# KiCad board After Huzaifa Antuley fixed DRC.kicad_pcb (continued)
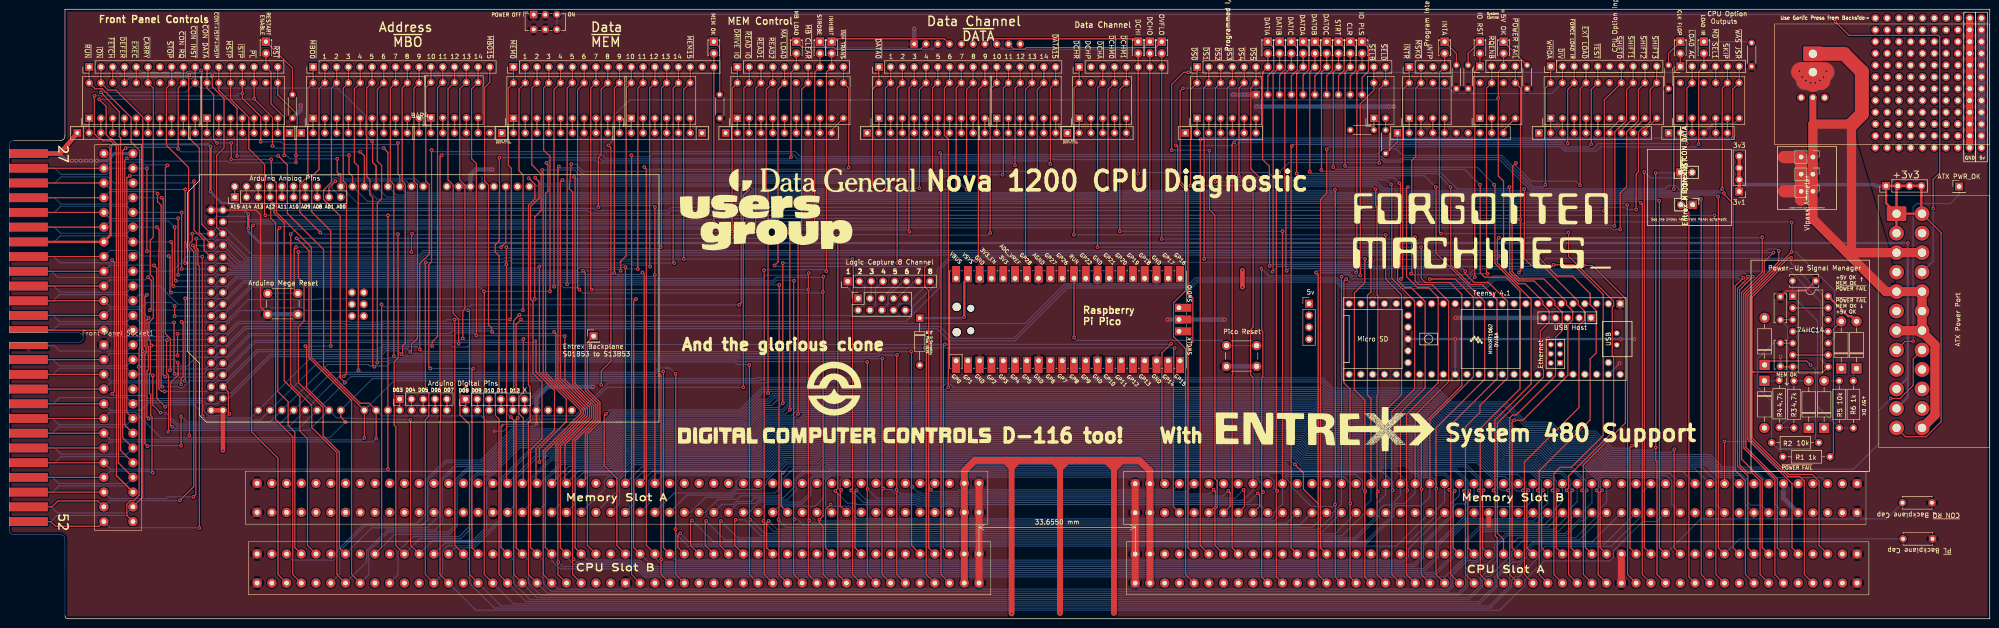
[diagram p0: board, top side]
## Routing (per net, layer and track width the routed paths; a pad name or vN(x,y) marks a point on that pad's centre or on a via; arc(x,y) is an arc through that point) (continued)
  Bottom w0.25: v1(118.3,12.19) 119.23,11.26 135.3,11.26 137.08,9.49 307.35,9.49 311.14,13.28 311.14,17.73 314.04,20.63 329.31,20.63 J16.58 ; 214.07,95.74 v1(214.06,95.76) 123.76,95.74 122.28,97.22 118.74,97.22 v1(118.43,97.54)
~{DATA12}: length 450
  Top w0.25: J16.59 335.05,29.47 ; 115.63,98.3 v1(115.76,98.3) 115.76,98.17 116.07,97.86 116.07,92.19 115.58,91.69 115.58,53.1 123.7,44.97 123.7,44.14 117.61,38.04 117.59,38.04 115.5,35.95 115.5,15.37 J3.59 ; J8.13 BAR9.18 216.75,114.45 216.75,97.81 v1(216.73,97.79)
  Bottom w0.25: v1(216.73,97.79) 216.22,98.3 126.94,98.3 126.3,98.93 116.4,98.93 v1(115.76,98.3) ; J16.59 334.71,25.26 332.86,23.41 332.86,22.31 330.73,20.18 317.06,20.18 313.81,16.94 313.81,13.41 309.42,9.02 291.4,9.02 291.39,9.03 136.9,9.03 135.16,10.77 118.7,10.77 116.91,12.56 J3.59
~{DATA13}: length 461.9
  Top w0.25: v1(108.52,49.02) 108.7,49.2 108.7,64.32 v1(109.92,65.53) ; v1(108.09,43.49) 108.7,42.87 108.7,9.55 110.55,7.7 ; J8.14 BAR9.17 219,114.16 219,77.74 v1(219.27,77.47)
  Bottom w0.25: v1(108.52,49.02) 108.49,49.02 107.3,47.83 107.3,46.09 107.33,46.06 107.33,44.24 v1(108.09,43.49) ; v1(109.92,65.53) 110.08,65.37 193.83,65.37 194.63,66.17 194.63,67.18 199.96,72.52 199.96,75.31 202.64,77.99 218.75,77.99 v1(219.27,77.47) ; J16.64 339.36,21.16 338.7,21.16 335.47,17.93 322.77,17.93 320.61,15.77 320.61,12.44 316.99,8.82 316.99,7.14 314.41,4.57 113.69,4.57 110.55,7.7
~{DATA14}: length 435
  Top w0.25: J3.56 121.41,9.55 121.41,12.63 v1(121.6,12.83) 121.41,13.03 121.41,38.49 125.95,43.04 125.95,45.97 121.41,50.52 121.41,92.02 120.68,92.75 v1(121.1,98.04) ; v1(221.55,95.76) 221.53,95.78 221.53,114.16 BAR9.16 J8.15
  Bottom w0.25: v1(121.1,98.04) 122.1,98.04 123.66,96.48 220.83,96.48 v1(221.55,95.76) ; v1(121.6,12.83) 122.27,12.16 135.67,12.16 137.45,10.39 305.07,10.39 307.91,13.23 307.91,15.78 313.67,21.54 327.04,21.54 J16.56
~{DATA15}: length 483.4
  Top w0.25: J8.16 225.49,115.62 BAR9.15 224.37,114.49 224.37,98.06 v1(224.35,98.04) ; 105.53,99.5 v1(105.6,99.44) 105.59,94.27 105.65,94.21 105.65,92.02 105.59,91.97 105.58,81.66 105.58,81.51 104.71,80.65 104.71,79.12 105.57,78.26 105.57,78.23 105.53,49.4 104.76,48.63 104.76,43.83 105.53,43.05 105.53,9.55 J3.66
  Bottom w0.25: J3.66 111.41,3.67 316.68,3.67 320.16,7.14 320.16,9.07 323.79,12.7 323.79,14.43 326.38,17.03 338.41,17.03 J16.66 ; v1(105.6,99.44) 127.13,99.44 127.83,98.75 223.64,98.75 v1(224.35,98.04)
~{DCHA}: length 362.5
  Top w0.25: J2.60 304.29,9.54 304.29,27.87 v1(304.36,27.94) 304.29,28.01 304.29,41.58 313.01,50.31 313.01,69.96 310.45,72.52 305.17,72.52 304.29,73.41 304.29,80.08 v1(304.23,80.14) 304.29,80.19 ; J12.3 BAR11.18 234.53,114.45 234.53,80.16 v1(234.51,80.14)
  Bottom w0.25: v1(304.36,27.94) 304.29,28.01 304.29,29.68 301.03,32.93 278.42,32.93 276.76,34.59 175.5,34.59 174.31,33.4 167.57,33.4 165.93,31.76 165.93,28.07 164.91,27.05 156.61,27.05 155.77,26.2 150.04,26.2 146.78,22.94 145.48,22.94 ; v1(304.23,80.14) v1(234.51,80.14) 234.51,80.26
~{DCHM0}: length 226.8
  Top w0.25: v1(182.56,27.69) 182.25,27.38 182.25,15.3 J3.17 ; J12.4 BAR11.17 236.78,114.16 236.78,92.6 v1(236.79,92.58) 236.78,92.57 ; v1(268.29,92.71) 268.04,92.46 268.04,62.9 267.49,62.35 267.49,52.62 268.04,52.07 J16.17
  Bottom w0.25: 202.25,25.17 196.03,25.17 195.66,25.53 184.72,25.53 v1(182.56,27.69) ; 202,25.17 205.45,25.17 205.81,25.53 265.85,25.53 268.04,27.72 J16.17 ; 268.04,92.71 v1(268.29,92.71) 267.6,92.27 237.1,92.27 v1(236.79,92.58)
~{DCHM1}: length 242.8
  Top w0.25: J16.21 v1(274.38,83.57) ; J12.5 BAR11.16 239.31,114.16 239.31,83.58 v1(239.33,83.57) ; J3.21 175.91,15.3 175.91,23.57 v1(176.98,24.64) ; 176.98,24.56 v1(176.98,24.64) ; v1(176.98,24.64) 177.1,24.77
  Bottom w0.25: v1(176.98,24.64) 177.35,24.27 181.03,24.27 182.25,23.04 182.25,21.97 182.69,21.54 271.76,21.54 272.54,22.31 272.54,22.88 274.38,24.73 J16.21 ; v1(239.33,83.57) v1(274.38,83.57)
~{DCHR}: length 321.1
  Top w0.25: J3.35 153.16,15.82 153.16,20.88 v1(153.35,21.08) 153.16,21.28 ; J16.35 296.61,44.96 300.02,48.37 300.02,69.87 296.61,73.28 v1(296.61,82.8) ; v1(229.43,82.8) 229.44,82.82 229.44,114.45 BAR11.20 J12.1
  Bottom w0.25: v1(153.35,21.08) 156.99,17.45 289.93,17.45 294.76,22.28 294.76,24.89 296.61,26.74 J16.35 ; v1(296.61,82.8) v1(229.43,82.8)
~{DEFER}: length 580.8
  Top w0.25: v1(40.96,19.56) 40.96,76.07 40.65,76.39 40.65,79.7 40.31,80.04 v1(40.31,81.98) ; 46.27,101.54 44.69,99.95 44.69,84.41 46.04,83.06 ; J5.52 8.96,20.96 9.97,19.94 19.37,19.94 Front Panel Socket1.52 ; v1(380.18,78.99) 378.21,77.03 378.21,74.54 373.78,70.1 373.78,36.81 380.49,30.1 380.49,9.54 J2.12 ; J9.4 BAR1.17 ; 46.27,101.62 46.27,112.22 43.75,114.75 v1(43.75,117.09)
  Bottom w0.25: Front Panel Socket1.52 21.71,19.63 40.89,19.63 v1(40.96,19.56) ; BAR1.17 25.97,116.72 38.28,116.72 38.5,116.5 39.41,116.5 39.6,116.7 43.35,116.7 v1(43.75,117.09) ; v1(40.31,81.98) 40.42,81.87 43.99,81.87 45.18,83.06 46.04,83.06 51.25,77.85 88.33,77.85 89.43,78.96 380.14,78.96 v1(380.18,78.99)
~{DIV}: length 189.6
  Top w0.25: J11.2 BAR15.19 ; v1(252.92,114.43) 252.31,113.81 252.31,94.33 254.01,92.63 254.01,70.23 255.05,69.19 255.05,59.71 254.01,58.67 254.01,15.29 J2.91
  Bottom w0.25: BAR15.19 332.42,113.28 311.43,113.28 310.27,114.43 v1(252.92,114.43)
~{DRIVE IO}: length 555.2
  Top w0.25: v1(155.77,83.57) 155.78,83.58 155.78,114.45 BAR7.20 J18.1 ; v1(60.64,82.93) 60.64,50.55 65.17,46.02 65.17,41.25 70.61,35.81 70.61,9.55 J3.88
  Bottom w0.25: v1(60.64,82.93) 61.75,84.04 150.05,84.07 150.56,83.57 v1(155.77,83.57) ; J16.88 377.51,24.51 375.22,24.51 374.58,25.15 374.58,29.87 373.1,31.36 368.68,31.36 365.96,34.07 344.42,34.07 340.78,37.71 333.21,37.71 331.24,39.68 324.16,39.68 320.25,43.59 309.47,43.59 306.6,46.46 283.99,46.46 282.34,48.11 164.72,48.11 163.51,46.9 161.77,46.9 158,43.14 130.51,43.14 126.98,39.61 108.91,39.61 102.14,32.84 96.43,32.84 93.28,29.69 93.28,20.57 91.88,19.18 81.5,19.18 77.03,14.7 77.03,12.27 J3.88
~{DS0}: length 279
  Top w0.25: 285.76,89.15 285.76,92.51 v1(285.69,92.58) ; 285.76,89.15 285.76,92.66 ; 285.76,89.15 285.76,24.71 v1(285.69,24.64) 285.76,24.57 285.76,9.02 J2.72 ; J10.1 BAR10.20 254.56,114.16 v1(254.56,93.42)
  Bottom w0.25: 268.59,93.44 269.69,92.34 ; 268.59,93.44 254.57,93.44 v1(254.56,93.42) ; 268.59,93.44 269.75,92.27 285.38,92.27 v1(285.69,92.58) ; v1(285.69,24.64) 285.24,24.19 280.63,24.19 276.24,28.58 276.24,29.15 273.95,31.44 176.95,31.44 175.45,29.95 175.45,26.05 173.67,24.27 165.85,24.27 164.53,22.94
~{DS1}: length 293.2
  Top w0.25: v1(292.17,77.6) 292.11,77.54 292.11,72.52 289.86,70.27 289.86,49.37 292.11,47.12 292.11,27.49 v1(292.17,27.43) 292.11,27.38 292.11,9.02 J2.68 ; J10.2 BAR10.19 257.38,114.45 257.38,103.75 257.49,103.64 v1(257.49,77.6)
  Bottom w0.25: 177.87,32.34 176.58,32.34 175.22,30.99 173.8,30.99 173.8,30.99 173.32,30.99 172.28,29.95 172.28,26.88 170.57,25.17 161.71,25.17 159.48,22.94 158.18,22.94 ; 177.87,32.34 274.32,32.34 275.53,31.13 290.13,31.13 291.58,29.68 291.58,28.01 v1(292.17,27.43) ; 177.87,32.34 176.55,32.34 ; v1(292.17,77.6) 291.89,77.87 257.77,77.87 v1(257.49,77.6)
~{DS2}: length 296.9
  Top w0.25: 294.76,27.63 v1(294.96,27.43) 294.76,27.23 294.76,26.16 ; 294.76,26.16 294.76,9.54 J2.66 ; 294.76,26.16 294.76,48.13 294.94,48.31 294.94,69.67 294.76,69.85 294.76,88.77 294.45,89.08 v1(294.45,92.58) ; 259.93,94.22 v1(259.91,94.23) 259.93,94.25 259.93,114.45 BAR10.18 J10.3
  Bottom w0.25: v1(259.91,94.23) 268.81,94.23 269.73,93.31 293.73,93.31 v1(294.45,92.58) 294.45,92.46 ; v1(294.96,27.43) 294.76,27.63 294.76,29.68 292.86,31.58 275.72,31.58 274.5,32.79 176.37,32.79 175.3,31.73 175.3,31.7 175.04,31.44 171.23,31.44 169.56,29.76 169.56,27.59 167.58,25.62 161.52,25.62 160.76,24.85 156.92,24.85 155,22.94
~{DS3}: length 403.9
  Top w0.25: J2.46 326.51,9.54 326.51,27.38 v1(326.2,27.69) 326.51,28 326.51,33.78 338.27,45.54 338.27,63.25 339.44,64.43 339.44,66.39 338.12,67.71 338.12,68.47 330.39,76.2 327.98,76.2 326.51,77.67 326.51,92.66 v1(326.45,92.71) ; J10.4 BAR10.17 262.46,114.45 262.46,95.01 v1(262.45,95) 262.46,94.98
  Bottom w0.25: 123.25,22.94 128.28,27.97 128.28,29.76 129.13,30.61 130.75,30.61 134.28,34.14 161.8,34.14 165.57,37.9 172.15,37.9 173.34,39.09 278.62,39.09 280.26,37.46 302.87,37.46 305.74,34.59 316.52,34.59 320.43,30.68 322.33,30.68 323.79,29.23 323.79,28.65 324.88,27.56 326.07,27.56 v1(326.2,27.69) ; v1(326.45,92.71) 326.02,92.27 295.85,92.27 294.36,93.76 270.19,93.76 269.27,94.68 262.76,94.68 v1(262.45,95)
~{DS4}: length 318.2
  Top w0.25: 265,95.49 v1(264.99,95.5) 265,95.52 265,114.45 BAR10.16 J10.5 ; J2.62 301.11,9.54 301.11,27.49 v1(301.31,27.69) 301.11,27.89 301.11,44.07 307.93,50.89 307.93,69.32 305.88,71.37 303.52,71.37 301.11,73.79 301.11,92.77 v1(301.44,93.09)
  Bottom w0.25: 301.06,29.73 298.31,32.48 276.09,32.48 274.88,33.69 175.92,33.69 174.56,32.34 168.96,32.34 ; 301.06,29.73 301.31,29.48 v1(301.31,27.69) ; 301.06,29.73 301.18,29.61 ; 301.31,92.96 v1(301.44,93.09) 301.07,92.72 296.23,92.72 294.74,94.21 270.57,94.21 269.65,95.13 265.36,95.13 v1(264.99,95.5) ; 168.8,32.18 168.96,32.34 ; 168.8,32.18 168.96,32.34 ; 168.8,32.18 166.38,29.76 166.38,26.84 166.05,26.52 157.68,26.52 156.92,25.75 152.77,25.75 149.96,22.94 148.66,22.94
~{DS5}: length 301.7
  Top w0.25: 299.79,7.69 297.94,9.54 297.94,27.49 v1(298.13,27.69) 297.94,27.89 297.94,44.63 302.85,49.55 302.85,68.49 297.94,73.41 297.94,93.54 v1(297.75,93.73) ; J10.6 268.67,115.62 BAR10.15 267.55,114.49 267.55,97.03 269.32,95.25 v1(270.83,95.25)
  Bottom w0.25: 174.83,31.89 176.18,33.24 274.69,33.24 275.91,32.03 295.58,32.03 296.94,30.68 ; v1(270.83,95.25) 270.83,95 271.17,94.66 296.82,94.66 v1(297.75,93.73) ; v1(298.13,27.69) 298.13,29.48 296.94,30.68 ; 296.94,30.68 298.01,29.61 ; 174.85,31.89 171.05,31.89 169.1,29.95 169.1,28.35 166.82,26.07 160.59,26.07 159.83,25.3 156.73,25.3 156.11,24.68 153.57,24.68 151.83,22.94
~{EXEC}: length 565.2
  Top w0.25: 43.5,83.06 41.48,85.07 41.48,118.09 v1(41.34,118.24) ; v1(36.77,25.53) 39.75,28.51 39.75,79.21 38.76,80.2 38.76,80.84 39.43,81.52 v1(39.43,83.06) ; v1(381.32,79.38) 381.32,77.01 374.23,69.92 374.23,36.99 381.01,30.21 381.01,15.29 J2.11 ; J5.51 9.21,24.13 10.48,25.4 19.11,25.4 Front Panel Socket1.51 ; J9.5 BAR1.16
  Bottom w0.25: J9.5 28.54,117.82 38.26,117.82 38.38,117.95 39.46,117.95 39.58,117.82 40.93,117.82 v1(41.34,118.24) ; v1(381.32,79.38) 380.98,79.72 379.09,79.72 378.78,79.41 89.25,79.41 88.14,78.3 52.48,78.3 46.53,84.25 44.69,84.25 43.5,83.06 v1(39.43,83.06) ; v1(36.77,25.53) 36.7,25.46 21.71,25.46 Front Panel Socket1.51
~{EXT LOAD}: length 377.6
  Top w0.25: J2.47 323.86,15.29 323.86,42.36 v1(324.3,42.8) 326.14,42.8 335.87,52.53 335.87,63.4 336.9,64.43 336.9,66.39 335.58,67.71 335.58,68.41 330.71,73.28 325.44,73.28 323.86,74.86 323.86,88.01 324,88.16 324,97.63 v1(324.68,98.3) ; v1(128.59,44.2) 128.2,43.81 128.2,33.02 130.88,30.35 130.93,30.35 130.93,15.82 J3.49 ; J11.4 BAR15.17 338.52,114.3 v1(338.52,93.47)
  Bottom w0.25: 202.89,50.42 203.26,50.05 ; 202.89,50.42 202.68,50.64 201.71,50.64 200.98,49.91 162.23,49.91 157.36,45.04 129.44,45.04 v1(128.59,44.2) ; 202.89,50.42 203.41,49.91 283.08,49.91 284.73,48.26 307.34,48.26 310.21,45.39 321,45.39 323.05,43.33 ; v1(324.68,98.3) 324.68,97.66 327.98,94.36 337.63,94.36 v1(338.52,93.47) ; 323.05,43.33 323.59,42.8 v1(324.3,42.8) ; 323.05,43.33 323.46,42.93
~{FETCH}: length 645.3
  Top w0.25: v1(38.8,117.22) 38.66,117.08 38.66,103.78 40.96,101.47 40.96,83.31 43.5,80.77 43.5,80.52 ; 320.69,77.72 320.69,76.76 325.18,72.26 326.65,72.26 330.5,68.41 330.5,67.77 331.82,66.45 331.82,63.95 329.94,62.07 329.94,54.44 330.62,53.77 330.62,52.09 320.69,42.16 320.69,18.45 322.01,17.12 J2.49 ; 320.69,77.72 320.69,77.47 320.69,81.86 v1(320.99,82.17) ; 320.69,77.72 320.69,77.92 v1(320.99,78.23) ; v1(39.69,26.29) 40.2,26.8 40.2,79.51 39.86,79.85 39.86,80.19 v1(39.53,80.52) ; v1(377.76,82.3) 377.76,82.29 377.76,74.79 373.33,70.36 373.33,34.4 377.76,29.97 377.76,15.36 J2.13 ; J9.3 BAR1.18 ; Front Panel Socket1.50 J5.50
  Bottom w0.25: v1(39.69,26.29) 34.23,26.29 33.85,25.91 21.78,25.91 Front Panel Socket1.50 20.77,27.69 ; v1(38.8,117.22) 24.07,117.22 J9.3 ; v1(320.99,82.17) 377.64,82.17 v1(377.76,82.3) ; v1(39.53,80.52) 43.5,80.52 44.69,81.71 46.53,81.71 50.84,77.4 88.51,77.4 89.55,78.44 317.95,78.44 318.07,78.32 320.9,78.32 v1(320.99,78.23)
~{FORCE LOAD IR}: length 179.2
  Top w0.25: v1(335.85,102.49) 335.83,102.51 335.83,114.16 BAR15.18 J11.3 ; J2.85 263.54,15.29 263.54,52.57 263.63,52.67 263.63,61.43 263.54,61.53 263.54,102.31 v1(263.97,102.74)
  Bottom w0.25: v1(335.85,102.49) 335.14,103.2 264.43,103.2 v1(263.97,102.74)
~{INH TRANS}: length 337.3
  Top w0.25: v1(180.91,97.28) 180.9,97.3 180.9,114.45 BAR7.11 J18.10 ; J3.45 137.28,15.82 137.28,96.97 v1(136.84,97.41)
  Bottom w0.25: J3.45 139.13,13.2 140.59,11.74 302.61,11.74 304.29,13.41 304.29,15.96 310.63,22.31 310.63,24.74 312.49,26.59 J16.45 ; v1(136.84,97.41) 137.32,96.93 180.56,96.93 v1(180.91,97.28)
~{INTR}: length 243.5
  Top w0.25: v1(299.91,73.28) 300.27,73.64 300.27,114.16 BAR13.20 J13.1 ; J3.29 163.2,15.3 163.2,20.65 v1(163.64,21.08) ; J16.29 v1(287.08,73.79)
  Bottom w0.25: v1(287.08,73.79) 287.47,74.17 288.55,74.17 289.42,73.31 291.28,73.31 v1(299.91,73.28) 299.95,73.32 ; v1(163.64,21.08) 165.46,19.26 282.18,19.26 285.24,22.31 285.24,22.88 287.08,24.73 J16.29
~{ION}: length 547.5
  Top w0.25: J9.2 BAR1.19 21.31,114.01 22.96,114.01 28.77,108.2 v1(28.77,57.66) 28.77,26.24 Front Panel Socket1.25 ; J2.16 374.13,9.54 374.13,29.79 371.94,31.99 371.94,71.77 v1(373.7,73.53)
  Bottom w0.25: v1(28.77,57.66) 43.5,57.66 44.69,58.85 46.59,58.85 50.77,63.02 200.53,63.02 203.09,60.47 216.49,60.47 227.81,71.79 254.61,71.79 255.87,73.05 286.04,73.05 287.44,71.65 318.1,71.65 319.95,73.5 326.05,73.5 326.64,74.09 373.14,74.09 v1(373.7,73.53) ; J5.25 9.08,24.13 10.41,22.81 25.33,22.81 Front Panel Socket1.25
~{ISTP}: length 573.8
  Top w0.25: 18.34,112.01 18.34,112.41 ; 18.34,112.01 18.34,104.6 19.28,103.65 19.6,103.65 20.2,103.06 21.86,103.06 23.08,101.84 23.08,30.88 Front Panel Socket1.24 23.05,30.91 ; 18.34,112.01 v1(18.35,112.78) 18.34,112.76 ; 84.14,93.22 84.14,95.5 83.76,95.89 v1(83.76,102.62) ; J2.17 371.49,15.29 371.49,89.59 369.49,91.59 v1(369.49,91.77) ; J9.14 BAR2.17 v1(50.23,113.28) 50.23,112.27 54.19,108.31 54.19,102.89 v1(54.17,102.87) 54.19,102.85
  Bottom w0.25: 84.14,93.22 85.54,91.82 369.43,91.82 v1(369.49,91.77) 369.55,91.82 ; Front Panel Socket1.24 25.33,28.63 10.66,28.63 9.34,27.31 J5.24 ; v1(83.76,102.62) 83.41,102.27 59.12,102.27 58.52,102.87 v1(54.17,102.87) ; v1(18.35,112.78) 49.09,112.78 49.59,113.28 v1(50.23,113.28)
~{LOAD AC}: length 191.9
  Top w0.25: J2.77 276.24,15.29 276.24,101.8 v1(276.42,101.98) ; J17.2 BAR16.19 361.52,114.45 361.52,102.51 v1(361.51,102.49)
  Bottom w0.25: v1(276.42,101.98) 276.74,102.3 334.38,102.3 335.37,101.31 341.29,101.31 342.46,102.49 v1(361.51,102.49)
~{MA LOAD}: length 197.2
  Top w0.25: J3.7 198.13,15.3 198.13,29.08 ; 198.82,27.81 v1(198.57,27.81) 198.57,28.07 198.13,28.5 198.13,29.08 ; 198.13,29.08 198.13,70.74 197.26,71.61 197.26,75.79 v1(198.06,76.58) ; J18.5 BAR7.16 165.66,114.16 165.66,76.94 v1(164.91,76.2)
  Bottom w0.25: v1(198.57,27.81) 198.96,27.42 204.35,27.42 204.74,27.81 250.83,27.81 J16.7 ; v1(164.91,76.2) 165.13,75.98 197.46,75.98 v1(198.06,76.58)
~{MB CLEAR}: length 565.2
  Top w0.25: v1(61.91,82.04) 64.59,79.37 64.59,56.26 73.78,47.06 73.78,9.55 J3.86 ; v1(170.75,82.04) 170.75,114.17 BAR7.14 J18.7
  Bottom w0.25: 163.77,46.49 164.93,47.66 282.15,47.66 283.8,46.01 306.41,46.01 309.28,43.14 320.07,43.14 323.97,39.23 331.05,39.23 333.03,37.26 340.6,37.26 344.23,33.62 365.78,33.62 368.49,30.91 372.91,30.91 374.13,29.68 374.13,24.71 375.99,22.86 ; 163.77,46.45 161.95,46.45 158.19,42.69 130.7,42.69 127.17,39.16 109.1,39.16 102.33,32.39 98.52,32.39 96.08,29.94 96.08,20.18 94.62,18.73 81.69,18.73 77.48,14.52 77.48,9.55 J3.86 ; v1(61.91,82.04) v1(170.75,82.04) 170.63,82.04
~{MBO0}: length 433.6
  Top w0.25: 83.8,82.97 v1(83.76,82.93) 83.8,56.25 82.95,55.41 82.95,41.76 83.3,41.4 83.3,15.82 J3.79 ; J6.1 BAR3.20 64.34,114.45 64.34,95.43 62.63,93.71 62.63,87.68 v1(66.99,83.31)
  Bottom w0.25: v1(83.76,82.93) 67.38,82.93 v1(66.99,83.31) ; J16.79 363.32,32.27 343.67,32.27 340.04,35.91 332.47,35.91 330.49,37.88 323.41,37.88 319.51,41.79 308.72,41.79 305.85,44.66 283.24,44.66 281.6,46.29 167.76,46.29 166.57,45.1 162.51,45.1 158.75,41.34 131.26,41.34 127.72,37.81 109.66,37.81 102.89,31.04 100.98,31.04 99.63,29.69 99.63,19.56 97.36,17.29 88.47,17.29 J3.79
~{MBO1}: length 522
  Top w0.25: v1(63.82,58.8) 64.07,58.55 64.07,49.78 68.9,44.96 ; J3.77 86.48,15.82 86.48,42.87 v1(86.42,42.93) ; v1(33.97,60.07) 33.88,59.98 33.88,52.93 34.32,52.5 34.32,40.35 v1(34.23,40.26) ; J6.2 BAR3.19 66.74,114.3 66.74,96.9 65.17,95.33 65.17,87.76 69.28,83.65 v1(69.28,58.8) 69.28,58.93
  Bottom w0.25: J5.14 9.69,58.91 10.92,57.73 25.33,57.73 Front Panel Socket1.14 27.67,60.07 v1(33.97,60.07) 33.72,60.07 ; J3.77 91.19,16.84 99.83,16.84 102.43,19.44 102.43,29.95 109.84,37.36 127.91,37.36 131.44,40.89 158.93,40.89 162.7,44.65 166.75,44.65 167.95,45.84 281.42,45.84 283.05,44.21 305.67,44.21 308.54,41.34 319.32,41.34 323.23,37.43 330.31,37.43 332.28,35.46 339.82,35.46 343.47,31.81 343.49,31.82 360.6,31.82 363.29,29.13 ; v1(34.23,40.26) 34.59,40.62 64.56,40.62 68.9,44.96 70.55,43.31 v1(86.42,42.93) ; v1(69.28,58.8) v1(63.82,58.8)
~{MBO2}: length 451
  Top w0.25: 71.31,52.71 71.31,86.86 67.72,90.45 67.72,92.43 69.42,94.13 69.42,114.45 BAR3.18 J6.3 ; 71.31,52.71 71.31,51.94 v1(72.33,50.93) ; 71.31,52.71 71.31,52.06 ; v1(140.15,52.58) 140.45,52.27 140.45,12.9 v1(140.53,12.83) 140.45,12.76 140.45,9.55 J3.44 ; v1(35.12,41.4) 34.77,41.75 34.77,50.95 36.39,52.57 36.39,53.09 ; v1(36.26,55.25) 36.39,55.12 36.39,53.09 ; 36.39,53.09 36.39,52.58
  Bottom w0.25: J16.44 301.56,15.11 301.56,13.23 300.52,12.19 141.17,12.19 v1(140.53,12.83) ; J5.15 9.46,55.88 10.79,54.56 25.33,54.56 Front Panel Socket1.15 35.62,55.88 v1(36.26,55.25) ; v1(140.15,52.58) 139.8,52.23 73.63,52.23 v1(72.33,50.93) 62.47,41.07 35.58,41.07 35.24,41.4 v1(35.12,41.4) 35.12,41.53
~{MBO3}: length 452.9
  Top w0.25: 29.94,43.2 v1(30.04,43.18) 29.67,43.55 29.67,53.41 29.98,53.72 29.98,54.61 29.96,58.67 29.67,58.96 29.67,64.53 v1(30.04,64.9) ; J3.43 140.98,15.3 140.98,53.27 v1(140.91,53.34) 140.98,53.41 ; Front Panel Socket1.38 J5.38 ; J6.4 BAR3.17 71.97,114.45 71.97,94.37 72.66,93.68 72.66,52.91 v1(72.07,52.32)
  Bottom w0.25: 29.78,64.9 v1(30.04,64.9) 27.95,66.73 21.71,66.73 Front Panel Socket1.38 ; 139.63,53.09 139.22,52.68 72.43,52.68 v1(72.07,52.32) 71.19,52.32 60.38,41.52 36.03,41.52 34.36,43.18 v1(30.04,43.18) ; 139.63,53.09 139.88,53.34 v1(140.91,53.34) ; 139.63,53.09 139.76,53.22 ; J16.43 309.31,25.27 307.53,23.5 307.53,22.38 301.11,15.96 301.11,13.41 300.33,12.64 143.64,12.64 J3.43
~{MBO4}: length 436.9
  Top w0.25: v1(30.93,52.45) 30.93,52.44 30.93,46.09 v1(32.58,44.45) ; J6.5 BAR3.16 74.36,114.3 74.36,98.43 75.2,97.58 75.2,53.64 v1(75.25,53.59) ; v1(143.57,52.83) 143.63,52.78 143.63,19.36 v1(143.57,19.3) 143.63,19.25 143.63,9.55 J3.42
  Bottom w0.25: 74.78,53.13 76.14,53.13 ; 74.78,53.13 v1(75.25,53.59) 75.71,53.13 76.14,53.13 ; 74.78,53.13 69.45,53.13 58.29,41.97 36.21,41.97 33.73,44.45 v1(32.58,44.45) ; 76.14,53.13 139,53.13 139.94,54.07 141.42,54.07 ; J16.42 298.92,15.65 146.34,15.65 144.72,17.27 144.71,17.27 143.57,18.41 v1(143.57,19.3) ; 142.34,54.07 141.42,54.07 ; 142.34,54.07 141.42,54.07 ; 142.34,54.07 v1(143.57,52.83) ; 30.8,52.58 v1(30.93,52.45) 30.67,52.71 Front Panel Socket1.16 25.33,54.03 10.79,54.03 9.46,52.71 J5.16
~{MBO5}: length 453.3
  Top w0.25: J6.6 78.17,115.62 ; 159.5,17.53 159.5,21.14 v1(159.7,21.34) 159.5,21.54 159.5,54.68 v1(159.45,54.74) 159.5,54.79 ; v1(37.02,37.34) v1(37.02,43.69) ; v1(78.68,54.36) 78.32,54.71 78.32,90.83 77.71,91.44 77.71,94.7 77.03,95.38 77.03,114.47 BAR3.15 ; 159.5,18.11 159.5,9.55 J3.32 ; v1(29.78,37.21) 29.22,37.78 29.22,57.08 29.49,57.36 29.49,58.47 29.22,58.74 29.22,69.41 v1(29.66,69.85)
  Bottom w0.25: v1(159.45,54.74) 159.36,54.83 156.91,54.83 156.37,55.37 82.27,55.37 81.42,54.52 79.95,54.52 ; J16.32 285.75,18.35 162.82,18.35 159.83,21.34 v1(159.7,21.34) ; 79.95,54.52 77.72,54.52 ; 79.95,54.52 78.84,54.52 v1(78.68,54.36) 78.51,54.52 77.72,54.52 ; 77.72,54.52 77.41,54.83 68.61,54.83 56.2,42.42 38.29,42.42 v1(37.02,43.69) ; J5.11 9.46,68.58 10.79,69.91 25.33,69.91 Front Panel Socket1.11 27.92,69.85 v1(29.66,69.85) ; v1(29.78,37.21) 29.91,37.34 v1(37.02,37.34)
~{MBO6}: length 421.8
  Top w0.25: v1(33.59,45.72) 31.78,47.53 31.78,75.6 v1(31.18,76.2) ; J16.16 266.19,24.19 266.19,27.63 v1(266,27.81) 266.19,28 ; J6.7 BAR3.14 79.31,114.17 79.31,98.68 80.25,97.75 80.25,90.6 79.31,89.66 v1(79.31,55.25) ; Front Panel Socket1.35 J5.35 ; J3.16 184.91,9.55 184.91,27.87 v1(184.98,27.94) 184.91,28.01 184.91,55.32 v1(184.85,55.37) 184.91,55.43
  Bottom w0.25: v1(266,27.81) 264.19,26.01 205.65,26.01 205.26,25.62 196.28,25.62 ; 195.82,26.01 196.21,25.62 ; 195.82,26.01 196.16,25.67 ; 195.82,26.01 186.91,26.01 v1(184.98,27.94) ; v1(184.85,55.37) 184.76,55.46 156.91,55.46 156.55,55.82 82.08,55.82 81.72,55.46 79.53,55.46 v1(79.31,55.25) 79.1,55.46 66.7,55.46 54.11,42.87 41.51,42.87 40.96,43.43 40.96,45.09 39.9,46.15 34.02,46.15 v1(33.59,45.72) 33.47,45.59 ; 31,76.26 31.05,76.26 v1(31.18,76.2) 30.94,76.26 21.71,76.26 Front Panel Socket1.35
~{MBO7}: length 420.9
  Top w0.25: v1(41.72,43.69) 41.59,43.82 v1(41.59,78.11) ; J3.14 188.08,9.55 188.08,27.74 v1(188.41,28.07) 188.08,28.39 188.08,56.06 v1(188.15,56.13) 188.08,56.21 ; J6.8 BAR3.13 82.12,114.45 82.12,94.37 82.87,93.63 v1(82.87,56.6) ; v1(262.7,27.56) 263.08,27.18 263.08,24.26 J16.14
  Bottom w0.25: J5.9 9.08,74.93 10.41,73.61 25.33,73.61 Front Panel Socket1.9 35.11,74.93 38.28,78.11 v1(41.59,78.11) 41.72,78.11 ; v1(188.41,28.07) 188.59,27.89 190.1,27.89 191.53,26.46 196.01,26.46 196.4,26.07 205.04,26.07 205.43,26.46 261.6,26.46 v1(262.7,27.56) ; 41.59,43.82 v1(41.72,43.69) 42.09,43.32 52.02,43.32 64.8,56.1 81.72,56.1 81.9,56.27 82.54,56.27 v1(82.87,56.6) 83.19,56.27 156.74,56.27 156.91,56.1 188.12,56.1 v1(188.15,56.13)
~{MBO8}: length 384
  Top w0.25: J16.12 259.91,24.26 259.91,27.43 v1(259.53,27.81) ; J3.12 191.25,9.55 191.25,27.76 v1(191.2,27.81) 191.25,27.87 191.25,56.82 v1(191.33,56.9) 191.25,56.97 ; J6.9 BAR3.12 84.66,114.45 84.66,94.37 85.33,93.71 85.33,59.36 84.77,58.8 84.77,57.28 v1(84.52,57.02)
  Bottom w0.25: v1(191.2,27.81) 192.11,26.91 196.19,26.91 196.58,26.52 204.79,26.52 205.18,26.91 258.62,26.91 v1(259.53,27.81) ; v1(191.33,56.9) 191.29,56.86 187.57,56.86 187.26,56.55 157.1,56.55 156.92,56.72 84.82,56.72 v1(84.52,57.02) ; v1(84.52,57.02) 84.01,57.53 ; v1(84.52,57.02) 83.76,57.79 ; 84.01,57.53 83.75,57.8 81.23,57.8 79.98,56.55 56.36,56.55 47.31,47.5 46.04,47.5 44.85,46.31 42.48,46.31 41.74,47.05 27.35,47.05 Front Panel Socket1.18 25.33,47.68 10.79,47.68 9.46,46.36 J5.18 ; 84.01,57.53 83.76,57.79 ; 83.76,57.79 83.74,57.79
~{MBO9}: length 403
  Top w0.25: v1(22.16,48.51) 22.63,48.98 22.63,76.88 v1(22.16,77.34) ; 194.43,57.71 v1(194.38,57.66) 194.43,57.6 194.43,28.65 v1(194.63,28.45) 194.43,28.25 194.43,15.82 J3.9 ; J6.10 BAR3.11 87.2,114.45 87.2,94.37 87.95,93.63 87.95,60.45 86.68,59.18 86.68,57.75 v1(86.42,57.5)
  Bottom w0.25: v1(22.16,48.51) 22.55,48.13 29.28,48.13 29.91,47.5 43.5,47.5 44.69,48.69 47.86,48.69 56.17,57 79.66,57 80.91,58.25 85.68,58.25 v1(86.42,57.5) 86.75,57.17 157.11,57.17 157.13,57.15 187.23,57.15 187.7,57.62 194.34,57.62 v1(194.38,57.66) ; 21.66,76.78 25.33,76.78 Front Panel Socket1.8 ; 21.66,76.78 10.92,76.78 9.59,78.11 J5.8 ; 21.66,76.78 21.66,76.84 v1(22.16,77.34) ; J16.9 253.56,27.36 205.55,27.36 ; v1(194.63,28.45) 195.72,27.36 196.38,27.36 196.77,26.97 204.53,26.97 204.93,27.36 207.33,27.36
~{MBO10}: length 413
  Top w0.25: J6.11 BAR4.20 89.75,114.55 89.75,94.37 90.49,93.63 90.49,78.62 88.46,76.59 v1(88.46,58.04) ; v1(251.14,58.42) 250.94,58.21 250.94,51.41 250.83,51.31 250.83,24.19 J16.8 ; 46.04,50.04 47.23,48.85 47.23,44.41 v1(47.44,44.2) ; Front Panel Socket1.44 J5.44 ; v1(197.3,58.42) 197.6,58.11 197.6,9.55 J3.8
  Bottom w0.25: 46.04,50.04 53.6,57.6 79.63,57.6 80.72,58.7 87.8,58.7 v1(88.46,58.04) 88.87,57.62 157.3,57.62 157.32,57.6 185.48,57.6 186.27,58.38 197.26,58.38 v1(197.3,58.42) v1(251.14,58.42) ; Front Panel Socket1.44 21.78,44.96 28.39,44.96 30.04,46.6 41.56,46.6 41.82,46.33 41.82,44.95 43.01,43.77 47.01,43.77 v1(47.44,44.2)
~{MBO11}: length 425.6
  Top w0.25: v1(31.81,84.46) 32.28,83.99 32.28,79.5 32.23,79.46 32.23,49.62 32.83,49.02 v1(33.47,49.02) ; 248.99,29.13 248.4,29.72 248.4,57.32 v1(250.38,59.31) 250.38,59.31 ; v1(91.12,58.8) 91.12,59.69 92.28,60.85 92.28,114.55 BAR4.19 J6.12 ; v1(201.61,59.18) 201.31,58.87 201.31,15.3 J3.5
  Bottom w0.25: J5.6 9.72,84.46 11.04,83.13 25.33,83.13 Front Panel Socket1.6 v1(31.81,84.46) 31.69,84.46 ; v1(33.47,49.02) 42.48,49.02 44.85,51.39 46.75,51.39 53.41,58.05 79.44,58.05 80.53,59.15 90.78,59.15 v1(91.12,58.8) 91.47,59.15 95.06,59.15 95.62,58.58 98.69,58.58 99.25,59.15 201.58,59.15 v1(201.61,59.18) 250.25,59.18 v1(250.38,59.31)
